# Altium PCB Hall Board.PcbDoc (part 3 of 4) (continued)
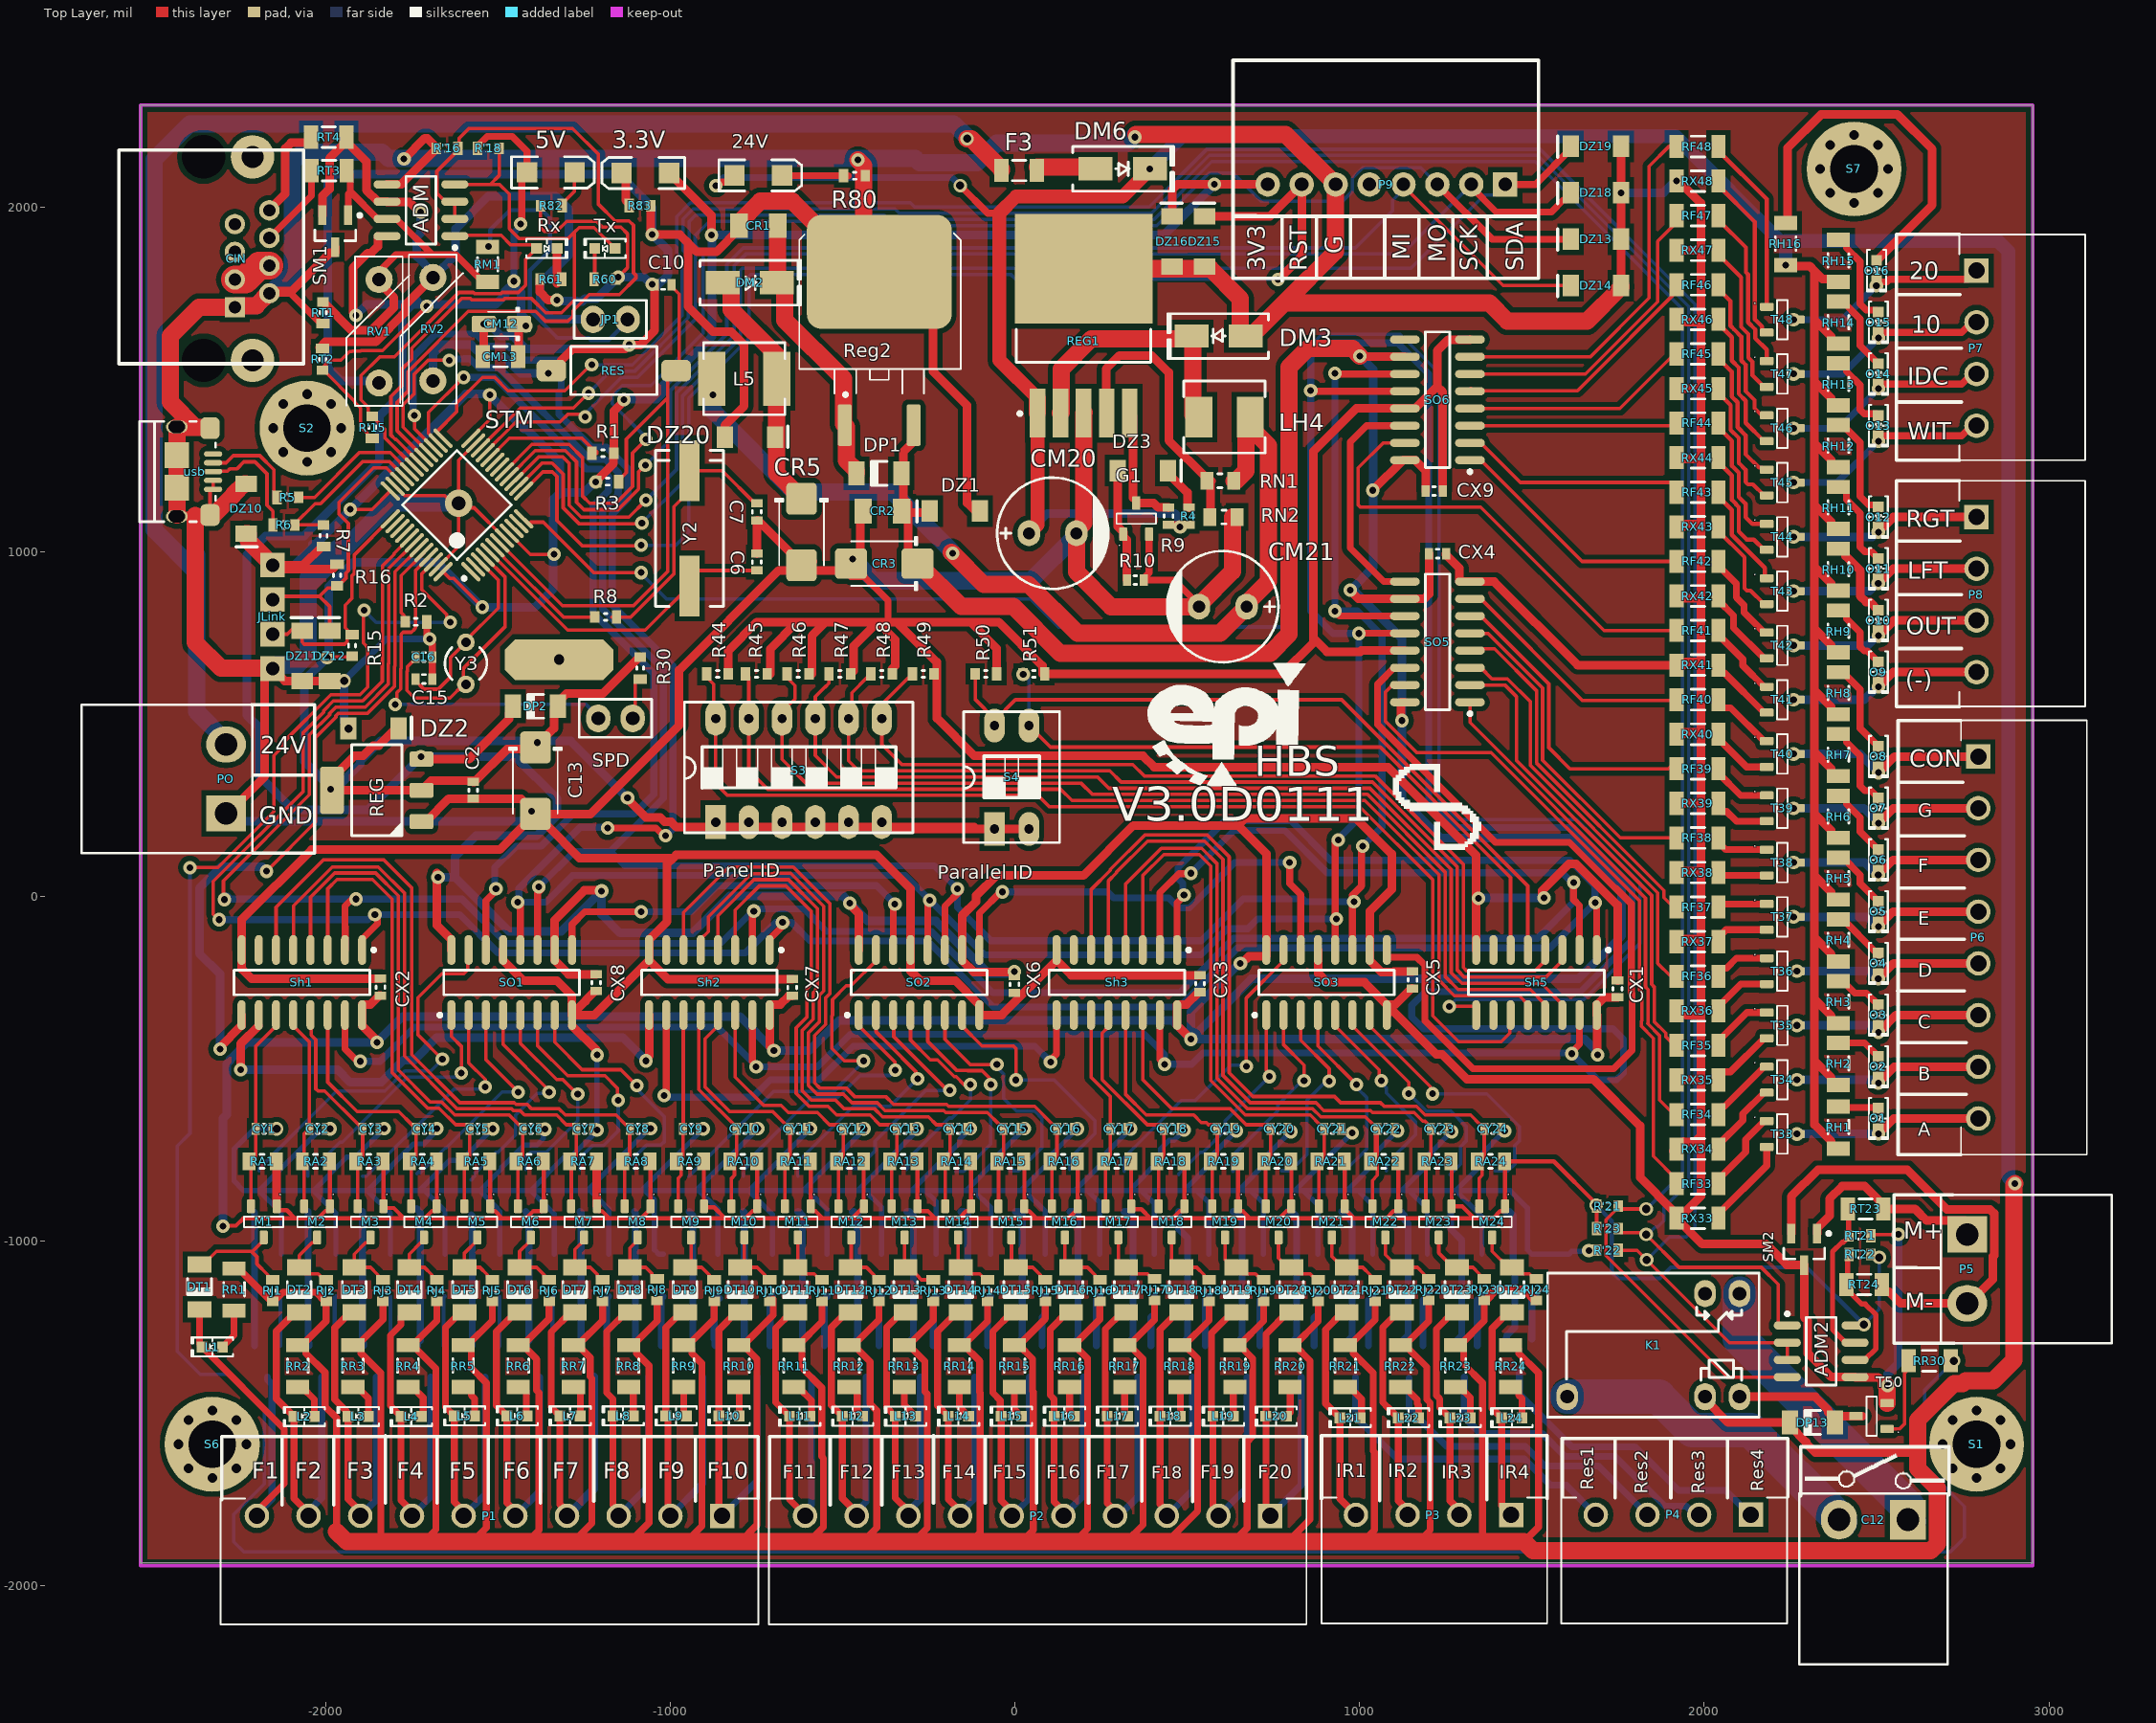
[diagram p0: Top Layer view]
## Nets (pads, with @x,y where several pads share a name; then routed paths per layer and width w, separated by ;. In a path a pad name is that pad's centre, name@x,y a point inside that pad or via, vN(x,y) a via of type N, cw(c..) or ccw(c..) an arc to the next point about the centre after c; other vN are vias at no path point) (continued)
NetR1_2: R1.2 STM.20 | length 353.9
  Top Layer w10: STM.20@-1523.96,1272.8 -1468.28,1328.48 -1257.47,1328.48 -1225.72,1296.73 -1220.8,1296.73 -1213.99,1289.92 -1213.99,1285
NetR2_1: R2.1 STM.44 | length 225.8
  Top Layer w10: R2.1@-1765,805.67 -1781.95,822.62 -1781.95,930.01 -1716.04,995.92 STM.44@-1716.04,997.2
NetR5_2: R5.2 usb.2 | length 294.3
  Top Layer w10: usb.2@-2327.69,1257.35 -2290,1257.35 -2269.35,1278 -2191.9,1278 -2150.99,1237.09 R5.2@-2150.99,1145
NetR6_2: R6.2 usb.3 | length 338
  Top Layer w10: usb.3@-2327.69,1231.76 -2326.71,1232.73 -2286.11,1232.73 -2279.37,1239.47 -2259.03,1239.47 -2238.38,1260.13 -2206.23,1260.13 -2171.38,1225.27 -2171.38,1134.23 -2153.99,1116.84 R6.2@-2153.99,1077
NetR30_2: R30.2 SPD.1 | length 126.6
  Top Layer w10: SPD.1@-1110,515.85 -1102.88,522.97 -1102.88,621.22 -1094.1,630 R30.2@-1088.19,630
NetR60_2: R60.2 Tx.2 | length 105.2
  Top Layer w10: Tx.2@-1220.03,1879.17 -1220.03,1786.67 R60.2@-1211.06,1777.7
NetR61_2: R61.2 Rx.2 | length 101.7
  Top Layer w25: -1330.08,1777.7 -1329.54,1778.23 Rx.2@-1329.54,1879.17
NetREG1_4: REG1.4 RN1.2 RN2.1 | length 814.9
  Top Layer w25: REG1.4@265.48,1401.06 264,1402.54 264,1530 303,1569 396.04,1569 446,1519.04 446,1322.11 556.22,1211.89 RN1.2@556.22,1205 ; RN2.1@565.34,1100.16 567.67,1102.49 567.67,1202.67 RN1.2@570,1205
NetRF1_1: RF1.1 T1.1 | length 390.5
  Bottom Layer w20: RF1.1@-2210,-915 -2207.4,-917.6 T1.1@-2207.4,-1304.45
NetRF2_1: RF2.1 T2.1 | length 390.5
  Bottom Layer w20: RF2.1@-2052.1,-915 -2052.1,-1293.98 -2049.5,-1296.57 T2.1@-2049.5,-1304.45
NetRF3_1: RF3.1 T3.1 | length 390.5
  Bottom Layer w20: RF3.1@-1894.19,-915 -1894.19,-1293.98 -1891.6,-1296.57 T3.1@-1891.6,-1304.45
NetRF4_1: RF4.1 T4.1 | length 404.5
  Bottom Layer w20: RF4.1@-1736.29,-907.05 -1726.37,-916.97 -1726.37,-1289.25 -1733.69,-1296.57 T4.1@-1733.69,-1304.45
NetRF5_1: RF5.1 T5.1 | length 380.6
  Bottom Layer w20: RF5.1@-1578.39,-924.92 -1575.79,-927.52 T5.1@-1575.79,-1304.45
NetRF6_1: RF6.1 T6.1 | length 396.4
  Bottom Layer w20: RF6.1@-1420.48,-915 -1410.82,-924.66 -1410.82,-1289.51 -1417.89,-1296.57 T6.1@-1417.89,-1304.45
NetRF7_1: RF7.1 T7.1 | length 390.5
  Bottom Layer w20: RF7.1@-1262.58,-915 -1259.98,-917.6 T7.1@-1259.98,-1304.45
NetRF8_1: RF8.1 T8.1 | length 390.5
  Bottom Layer w20: RF8.1@-1104.68,-915 -1102.08,-917.6 T8.1@-1102.08,-1304.45
NetRF9_1: RF9.1 T9.1 | length 398.4
  Bottom Layer w20: RF9.1@-946.77,-915 -945.94,-915 -935.27,-925.67 -935.27,-1287.67 -944.18,-1296.57 T9.1@-944.18,-1304.45
NetRF10_1: RF10.1 T10.1 | length 390.5
  Bottom Layer w20: RF10.1@-788.87,-915 -786.27,-917.6 T10.1@-786.27,-1304.45
NetRF11_1: RF11.1 T11.1 | length 401.1
  Bottom Layer w20: RF11.1@-630.97,-915 -628.21,-915 -617.54,-925.67 -617.54,-1285.75 -628.37,-1296.57 T11.1@-628.37,-1304.45
NetRF12_1: RF12.1 T12.1 | length 404.8
  Bottom Layer w20: RF12.1@-473.06,-915 -467.67,-915 -457,-925.67 -457,-1283.11 -470.47,-1296.57 T12.1@-470.47,-1304.45
NetRF13_1: RF13.1 T13.1 | length 410
  Bottom Layer w20: RF13.1@-315.16,-915 -306.15,-915 -295.48,-925.67 -295.48,-1279.49 -310.75,-1294.76 -310.75,-1302.64 T13.1@-312.56,-1304.45
NetRF14_1: RF14.1 T14.1 | length 411.5
  Bottom Layer w20: RF14.1@-157.26,-915 -148.51,-915 -137.84,-925.67 -137.84,-1283.05 -149.56,-1294.76 -152.85,-1294.76 -154.66,-1296.57 T14.1@-154.66,-1304.45
NetRF15_1: RF15.1 T15.1 | length 412
  Bottom Layer w20: RF15.1@0.64,-915 9.66,-915 20.33,-925.67 20.33,-1283.05 8.61,-1294.76 5.05,-1294.76 3.24,-1296.57 T15.1@3.24,-1304.45
NetRF16_1: RF16.1 T16.1 | length 419.6
  Bottom Layer w20: RF16.1@158.55,-915 171.34,-915 182.01,-925.67 182.01,-1283.05 170.3,-1294.76 162.96,-1294.76 161.15,-1296.57 T16.1@161.15,-1304.45
NetRF17_1: RF17.1 T17.1 | length 421.4
  Bottom Layer w20: RF17.1@316.45,-915 329.25,-915 339.92,-925.67 339.92,-938.46 341.69,-940.23 341.69,-1281.81 328.73,-1294.76 320.86,-1294.76 319.05,-1296.57 T17.1@319.05,-1304.45
NetRF18_1: RF18.1 T18.1 | length 414.3
  Bottom Layer w20: RF18.1@474.35,-915 474.35,-965.67 500.07,-991.38 500.07,-1281.34 486.64,-1294.76 478.76,-1294.76 476.95,-1296.57 T18.1@476.95,-1304.45
NetRF19_1: RF19.1 T19.1 | length 422.4
  Bottom Layer w20: RF19.1@632.26,-915 645.05,-915 655.72,-925.67 655.72,-938.46 658.67,-941.41 658.67,-1280.63 644.54,-1294.76 636.67,-1294.76 634.86,-1296.57 T19.1@634.86,-1304.45
NetRF20_1: RF20.1 T20.1 | length 423
  Bottom Layer w20: RF20.1@790.16,-915 802.96,-915 813.63,-925.67 813.63,-938.47 817.32,-942.16 817.32,-1279.89 802.44,-1294.76 794.57,-1294.76 792.76,-1296.57 T20.1@792.76,-1304.45
NetRF21_1: RF21.1 T21.1 | length 425.3
  Bottom Layer w20: RF21.1@948.06,-915 960.86,-915 971.53,-925.67 971.53,-938.46 978.06,-945 978.06,-1277.05 960.35,-1294.76 952.47,-1294.76 950.66,-1296.57 T21.1@950.66,-1304.45
NetRF22_1: RF22.1 T22.1 | length 433
  Bottom Layer w20: T22.1@1105.7,-1307.2 1105.7,-1299.33 1107.51,-1297.52 1115.39,-1297.52 1140.42,-1272.49 1140.42,-949.45 1129.43,-938.46 1129.43,-925.67 1118.76,-915 RF22.1@1105.97,-915
NetRF23_1: RF23.1 T23.1 | length 419.9
  Bottom Layer w20: RF23.1@1263.87,-915 1263.87,-965.67 1296.36,-998.16 1296.36,-1274.56 1276.15,-1294.76 1268.28,-1294.76 1266.47,-1296.57 T23.1@1266.47,-1304.45
NetRF24_1: RF24.1 T24.1 | length 399.1
  Bottom Layer w20: RF24.1@1421.77,-915 1434.57,-915 1445.24,-925.67 1445.24,-1086.24 1449.72,-1090.72 1449.72,-1251.3 1426.18,-1274.83 1426.18,-1282.71 T24.1@1424.37,-1284.52
NetRF33_1: RF33.1 T33.1 | length 244.2
  Top Layer w20: RF33.1@2041.1,-834.14 2041.1,-821.35 2120,-742.45 2120,-705.86 2173.26,-652.6 T33.1@2181.13,-652.6
NetRF34_1: RF34.1 T34.1 | length 204.9
  Top Layer w20: RF34.1@2041.1,-633.53 2041.1,-620.74 2051.77,-610.07 2058.29,-610.07 2173.26,-495.1 T34.1@2181.13,-495.1
NetRF35_1: RF35.1 T35.1 | length 187
  Top Layer w20: RF35.1@2041.1,-432.92 2041.1,-420.13 2123.63,-337.6 T35.1@2181.13,-337.6
NetRF36_1: RF36.1 T36.1 | length 169.2
  Top Layer w20: RF36.1@2041.1,-232.32 2041.1,-219.52 2051.77,-208.85 2064.57,-208.85 2093.32,-180.1 T36.1@2181.13,-180.1
NetRF37_1: RF37.1 T37.1 | length 143.8
  Top Layer w20: RF37.1@2041.1,-31.71 2050.21,-22.6 T37.1@2181.13,-22.6
NetRF38_1: RF38.1 T38.1 | length 161.6
  Top Layer w20: RF38.1@2041.1,168.9 2041.1,156.11 2062.31,134.9 T38.1@2181.13,134.9
NetRF39_1: RF39.1 T39.1 | length 179.5
  Top Layer w20: RF39.1@2041.1,369.51 2041.1,356.72 2105.42,292.4 T39.1@2181.13,292.4
NetRF40_1: RF40.1 T40.1 | length 197.3
  Top Layer w20: RF40.1@2041.1,570.12 2041.1,557.33 2051.77,546.66 2076.51,546.66 2173.26,449.91 T40.1@2181.13,449.91
NetRF41_1: RF41.1 T41.1 | length 225.9
  Top Layer w20: RF41.1@2041.1,770.73 2041.1,757.94 2111.61,687.43 2111.61,669.06 2173.26,607.41 T41.1@2181.13,607.41
NetRF42_1: RF42.1 T42.1 | length 269.1
  Top Layer w20: RF42.1@2041.1,971.34 2041.1,958.55 2092.71,906.94 2092.71,866.7 2115,844.41 2115,823.17 2173.26,764.91 T42.1@2181.13,764.91
NetRF43_1: RF43.1 T43.1 | length 307.5
  Top Layer w12: RF43.1@2041.1,1171.95 2041.1,1159.16 2080,1120.26 2080,1048.06 2175.84,952.22 2175.84,927.7 T43.1@2181.13,922.41
NetRF44_1: RF44.1 T44.1 | length 375.1
  Top Layer w12: RF44.1@2041.1,1372.56 2041.1,1359.77 2080,1320.87 2080,1248.67 2099.87,1228.8 2099.87,1158.23 2119.75,1138.36 2119.75,1099.59 2139.43,1079.91 T44.1@2181.13,1079.91
NetRF45_1: RF45.1 T45.1 | length 403.4
  Top Layer w12: RF45.1@2041.1,1573.17 2041.1,1560.38 2080,1521.48 2080,1449.28 2096.38,1432.9 2096.38,1360.7 2119.75,1337.33 2119.75,1282.34 2158.87,1243.22 2167.45,1243.22 2173.26,1237.41 T45.1@2181.13,1237.41
NetRF46_1: RF46.1 T46.1 | length 445.3
  Top Layer w12: RF46.1@2041.1,1773.78 2041.1,1760.99 2075.65,1726.44 2075.65,1655 2087.22,1643.42 2107.83,1622.82 2107.83,1553.77 2119.75,1541.84 2119.75,1465.74 2146.06,1439.43 2146.06,1415.55 2166.7,1394.91 T46.1@2181.13,1394.91
NetRF47_1: RF47.1 T47.1 | length 480
  Top Layer w12: RF47.1@2041.1,1974.39 2041.1,1961.6 2120.74,1881.96 2120.74,1809.76 2126.97,1803.53 2126.97,1665 2147.57,1644.4 2147.57,1619.28 2181.13,1585.72 T47.1@2181.13,1552.41
NetRF48_1: RF48.1 T48.1 | length 523.1
  Top Layer w12: RF48.1@2041.1,2175 2041.1,2162.2 2181.13,2022.17 T48.1@2181.13,1709.91
NetRR30_1: RR30.1 T50.1 | length 254.9
  Top Layer w10: T50.1@2530.62,-1545.96 2566.47,-1545.96 2580.58,-1531.85 2580.58,-1384.87 2605.23,-1360.23 RR30.1@2593,-1348
NetRX1_1: RX1.1 T1.2 | length 144.5
  Bottom Layer w12: T1.2@-2132.6,-1304.45 -2132.6,-1163.93 RX1.1@-2129.77,-1161.1
NetRX2_1: RX2.1 T2.2 | length 144.7
  Bottom Layer w12: T2.2@-1974.7,-1304.45 -1974.7,-1164.4 RX2.1@-1971.4,-1161.1
NetRX3_1: RX3.1 T3.2 | length 144.9
  Bottom Layer w12: T3.2@-1816.79,-1304.45 -1816.79,-1296.57 -1813.03,-1292.81 RX3.1@-1813.03,-1161.1
NetRX4_1: RX4.1 T4.2 | length 145.1
  Bottom Layer w12: T4.2@-1658.89,-1304.45 -1658.89,-1165.34 RX4.1@-1654.65,-1161.1
NetRX5_1: RX5.1 T5.2 | length 145.3
  Bottom Layer w12: T5.2@-1500.99,-1294.61 -1496.28,-1289.9 RX5.1@-1496.28,-1161.1
  Bottom Layer w20: T5.2@-1500.99,-1304.45 T5.2@-1500.99,-1294.61
NetRX6_1: RX6.1 T6.2 | length 145.5
  Bottom Layer w12: T6.2@-1343.08,-1304.45 -1343.08,-1166.27 RX6.1@-1337.91,-1161.1
NetRX7_1: RX7.1 T7.2 | length 145.7
  Bottom Layer w20: T7.2@-1185.18,-1304.45 -1185.18,-1166.74 RX7.1@-1179.54,-1161.1
NetRX8_1: RX8.1 T8.2 | length 145.9
  Bottom Layer w20: T8.2@-1027.28,-1304.45 -1027.28,-1167.21 RX8.1@-1021.17,-1161.1
NetRX9_1: RX9.1 T9.2 | length 152.8
  Bottom Layer w20: T9.2@-869.37,-1304.45 -871.18,-1302.64 -871.18,-1287.01 -873.58,-1284.62 -873.58,-1171.77 -868.42,-1166.61 RX9.1@-857.3,-1166.61
NetRX10_1: RX10.1 T10.2 | length 146.3
  Bottom Layer w20: T10.2@-711.47,-1304.45 -711.47,-1168.14 RX10.1@-704.43,-1161.1
NetRX11_1: RX11.1 T11.2 | length 146.5
  Bottom Layer w20: T11.2@-553.57,-1304.45 -553.57,-1168.61 RX11.1@-546.06,-1161.1
NetRX12_1: RX12.1 T12.2 | length 146.6
  Bottom Layer w20: T12.2@-395.66,-1304.45 -395.66,-1169.08 RX12.1@-387.69,-1161.1
NetRX13_1: RX13.1 T13.2 | length 146.8
  Bottom Layer w20: T13.2@-237.76,-1304.45 -237.76,-1169.54 RX13.1@-229.32,-1161.1
NetRX14_1: RX14.1 T14.2 | length 147
  Bottom Layer w20: T14.2@-79.86,-1304.45 -79.86,-1170.01 RX14.1@-70.95,-1161.1
NetRX15_1: RX15.1 T15.2 | length 147.2
  Bottom Layer w20: T15.2@78.05,-1304.45 78.05,-1221.15 87.42,-1211.77 RX15.1@87.42,-1161.1
NetRX16_1: RX16.1 T16.2 | length 147.4
  Bottom Layer w20: T16.2@235.95,-1304.45 235.95,-1170.94 RX16.1@245.79,-1161.1
NetRX17_1: RX17.1 T17.2 | length 147.6
  Bottom Layer w20: T17.2@393.85,-1304.45 393.85,-1222.08 404.16,-1211.77 RX17.1@404.16,-1161.1
NetRX18_1: RX18.1 T18.2 | length 147.9
  Bottom Layer w20: T18.2@551.76,-1304.45 551.76,-1171.77 562.43,-1161.1 RX18.1@562.53,-1161.1
NetRX19_1: RX19.1 T19.2 | length 148.3
  Bottom Layer w20: T19.2@709.66,-1304.45 709.66,-1171.77 720.33,-1161.1 RX19.1@720.9,-1161.1
NetRX20_1: RX20.1 T20.2 | length 148.2
  Bottom Layer w20: T20.2@867.56,-1304.45 867.56,-1223.48 879.27,-1211.77 RX20.1@879.27,-1161.1
NetRX21_1: RX21.1 T21.2 | length 149.3
  Bottom Layer w20: T21.2@1025.47,-1304.45 1025.47,-1171.77 1036.14,-1161.1 RX21.1@1037.65,-1161.1
NetRX22_1: RX22.1 T22.2 | length 149.7
  Bottom Layer w20: T22.2@1183.37,-1304.45 1183.37,-1171.77 1194.04,-1161.1 RX22.1@1196.02,-1161.1
NetRX23_1: RX23.1 T23.2 | length 150.2
  Bottom Layer w20: T23.2@1341.27,-1304.45 1341.27,-1171.77 1351.94,-1161.1 RX23.1@1354.39,-1161.1
NetRX24_1: RX24.1 T24.2 | length 130.7
  Bottom Layer w20: T24.2@1499.18,-1284.52 1499.18,-1200.18 1499.18,-1171.77 1509.85,-1161.1 RX24.1@1512.76,-1161.1
NetRX33_1: RX33.1 T33.2 | length 265
  Top Layer w20: RX33.1@2041.1,-934.45 2041.1,-921.65 2181.13,-781.62 T33.2@2181.13,-727.4
NetRX34_1: RX34.1 T34.2 | length 226.6
  Top Layer w20: RX34.1@2041.1,-733.84 2041.1,-721.04 2111.61,-650.54 2111.61,-631.55 2173.26,-569.9 T34.2@2181.13,-569.9
NetRX35_1: RX35.1 T35.2 | length 197.6
  Top Layer w20: RX35.1@2041.1,-533.23 2041.1,-520.43 2051.77,-509.76 2075.9,-509.76 2173.26,-412.4 T35.2@2181.13,-412.4
NetRX36_1: RX36.1 T36.2 | length 179.7
  Top Layer w20: RX36.1@2041.1,-332.62 2041.1,-319.82 2106.03,-254.9 T36.2@2181.13,-254.9
NetRX37_1: RX37.1 T37.2 | length 161.9
  Top Layer w20: RX37.1@2041.1,-132.01 2041.1,-119.21 2062.92,-97.4 T37.2@2181.13,-97.4
NetRX38_1: RX38.1 T38.2 | length 143.6
  Top Layer w20: RX38.1@2041.1,68.6 2049.6,60.1 T38.2@2181.13,60.1
NetRX39_1: RX39.1 T39.2 | length 168.9
  Top Layer w20: RX39.1@2041.1,269.21 2041.1,256.41 2051.77,245.74 2064.57,245.74 2092.71,217.6 T39.2@2181.13,217.6
NetRX40_1: RX40.1 T40.2 | length 186.8
  Top Layer w20: RX40.1@2041.1,469.82 2041.1,457.02 2123.02,375.1 T40.2@2181.13,375.1
NetRX41_1: RX41.1 T41.2 | length 204.6
  Top Layer w20: RX41.1@2041.1,670.43 2041.1,657.63 2051.77,646.96 2058.9,646.96 2173.26,532.6 T41.2@2181.13,532.6
NetRX42_1: RX42.1 T42.2 | length 243.6
  Top Layer w20: RX42.1@2041.1,871.04 2041.1,858.24 2085,814.34 2085,778.36 2173.26,690.1 T42.2@2181.13,690.1
NetRX43_1: RX43.1 T43.2 | length 292.9
  Top Layer w12: RX43.1@2041.1,1071.65 2041.1,1058.85 2116.58,983.37 2116.58,893.61 2123.61,886.58 2134.28,886.58 2173.26,847.6 T43.2@2181.13,847.6
NetRX44_1: RX44.1 T44.2 | length 341.9
  Top Layer w12: RX44.1@2041.1,1272.26 2041.1,1259.46 2080,1220.56 2080,1150 2092.71,1137.29 2092.71,1135.66 2099.87,1128.49 2099.87,1057.84 2123.33,1034.38 2143.99,1034.38 2173.26,1005.1 T44.2@2181.13,1005.1
NetRX45_1: RX45.1 T45.2 | length 381.1
  Top Layer w12: RX45.1@2041.1,1472.87 2041.1,1460.07 2076.51,1424.67 2076.51,1352.47 2099.87,1329.1 2099.87,1256.9 2119.75,1237.03 2119.75,1202.03 2126.78,1195 2140.86,1195 2173.26,1162.6 T45.2@2181.13,1162.6
NetRX46_1: RX46.1 T46.2 | length 416
  Top Layer w12: RX46.1@2041.1,1673.48 2041.1,1660.68 2080,1621.78 2080,1553.49 2099.87,1533.61 2099.87,1457.51 2120.38,1437 2120.38,1372.98 2173.26,1320.1 T46.2@2181.13,1320.1
NetRX47_1: RX47.1 T47.2 | length 459.1
  Top Layer w12: RX47.1@2041.1,1874.09 2041.1,1861.29 2107.1,1795.29 2107.1,1651.65 2127.7,1631.05 2127.7,1562 2139.62,1550.08 2139.62,1511.24 2173.26,1477.61 T47.2@2181.13,1477.61
NetRX48_1: RX48.1 T48.2 | length 502.2
  Top Layer w12: RX48.1@2041.1,2074.7 2041.1,2061.9 2146.85,1956.16 2146.85,1673.23 2167.45,1652.63 2167.45,1640.92 2173.26,1635.11 T48.2@2181.13,1635.11
NetSh1_10: Sh1.10 Sh2.9 | length 1557.3
  Top Layer w25: v1(-2247.67,-503.34) -2247.67,-427.79 Sh1.10@-2195.69,-375.81 ; v1@-1074.13,-475.1 -1062.5,-463.47 Sh2.9@-1062.5,-345
  Bottom Layer w25: v1(-2247.67,-503.34) -1966.66,-503.34 -1930,-540 -1839.91,-540 -1774.91,-475 -1743.55,-475 -1678.55,-410 -1139.22,-410 v1(-1071.45,-477.77)
NetSh2_10: Sh2.10 Sh3.9 | length 1579.6
  Top Layer w20: v1@-1017.61,-583.34 -1012.5,-578.23 Sh2.10@-1012.5,-345 ; v1@98.15,-480 120,-458.15 Sh3.9@120,-345
  Bottom Layer w20: v1@-1012.32,-583.4 -761.26,-583.4 -710.81,-532.95 -567.94,-532.95 -470.47,-435.48 57.33,-435.48 v1(102.68,-480.82)
  other v1: -1018.99,-578.4
NetSO1_9: SO1.9 SO2.14 | length 1217
  Top Layer w20: SO1.9@-1286.23,-156.02 -1286.23,-82.14 -1249.09,-45 v1(-1085,-45) ; SO2.14@-353.73,-156.02 -353.73,-22.14 v1@-351.59,-20
  Bottom Layer w20: v1(-1085,-45) -940.59,-45 -864.86,30.74 -402.33,30.74 v1(-348.92,-22.68)
NetSO2_9: SO2.9 SO3.14 | length 1438.4
  Top Layer w20: SO2.9@-103.73,-156.02 -103.73,-49.26 v1@-39.47,15 ; 800.96,32.5 796.6,36.86 ; SO3.14@828.77,-156.02 828.77,4.69 796.6,36.86 ; 796.6,36.86 v1(796.6,97.5) 796.6,36.86
  Bottom Layer w20: v1(-36.79,12.32) 268.42,12.32 285.75,-5 445.42,-5 474.44,-34.02 505.56,-34.02 637.08,97.5 v1(796.6,97.5)
NetSO3_9: SO3.9 SO5.14 | length 2596.7
  Top Layer w20: SO3.9@1078.77,-156.02 1078.77,-186.33 1080.44,-188 1080.44,-177.52 1166.33,-177.52 1188.92,-200.11 1188.92,-361.37 1327.86,-500.31 1737.46,-500.31 1790.37,-447.4 1790.37,-281.97 1788.5,-280.1 1788.5,-22.25 1744.13,22.13 ; SO5.14@1131.02,662.78 1099.53,662.78 1051.97,615.22 1051.97,497.87 1393.73,156.11 1608.52,156.11 1743.31,21.31
NetSO5_9: SO5.9 SO6.14 | length 693.1
  Top Layer w10: SO5.9@1151.23,912.78 SO5.9@1157.52,919.07
  Top Layer w20: SO5.9@1131.02,912.78 1069.89,912.78 972.68,1010 972.68,1317.68 1020,1365 SO6.14@1131.02,1365
OSCIN: C6.1 STM.5 Y2.2 | length 951
  Top Layer w10: STM.5@-1523.96,997.2 -1298.5,771.74 -1073.26,771.74 Y2.2@-945,900 -945,920.34 -920.47,944.86 C6.1@-750,944.86
OSCOUT: R8.1 STM.6 | length 374.9
  Top Layer w10: STM.6@-1510.04,1011.12 -1510.04,1010.63 -1482.91,983.5 -1482.91,981.43 -1311.48,810 R8.1@-1219.95,810
RESET: C10.1 R3.2 RES.2 STM.7 | length 1763.4
  Top Layer w10: STM.7@-1496.12,1025.04 -1313.72,842.64 -1107.64,842.64 -1007.87,942.4 -1007.87,1446.8 ; R3.2@-1150.79,1202.49 -1150.79,1208.4 -1142.01,1217.18 -1140.05,1217.18 -1128.43,1228.79 -1128.43,1326.24 -1007.87,1446.8 ; C10.1@-997.02,1773.6 -990.2,1766.79 -990.2,1761.87 -975.37,1747.04 -975.37,1533.72 RES.2@-984.09,1525 -1007.87,1501.22 -1007.87,1446.8
RST: DZ15.2 P9.7 STM.13 | length 3636.2
  Top Layer w10: STM.13@-1426.52,1175.37 -1370.9,1230.98 -1343.14,1230.98 -1329.75,1217.6 -1329.75,1090.15 -1256.34,1016.73 v1@-1095,1016.73
  Top Layer w25: DZ15.2@550,1972.8 739.37,1972.8 818.71,2052.14 831.57,2052.14 831.57,1856.57 764.48,1789.48 v1(762.68,1789.48)
  Bottom Layer w10: v1(-1085,1018.15) -985.42,1018.15 -946.97,1056.6 -946.97,1444.51 -772.4,1619.08 -772.4,1798.31 -766.54,1804.17 -13.25,1804.17 1.43,1789.48 v1(762.68,1789.48)
RxComm: ADM.1 R'15.1 Rx.1 STM.31 | length 1294.5
  Top Layer w10: STM.31@-1743.88,1244.96 -1829.46,1330.54 -1829.46,1355.46 R'15.1@-1865.5,1391.5 -1868.45,1391.5 -1877.23,1400.28 -1877.23,1418.62 -1898.24,1439.63 -1898.24,1510.64 -1843.77,1565.12 -1801.05,1565.12 -1614.56,1751.61 -1573,1751.61 -1569.61,1748.23 -1492.02,1748.23 -1488.63,1751.61 -1441.51,1751.61 -1420.43,1772.7 -1420.43,1847.33 Rx.1@-1388.6,1879.17 -1399.35,1889.91 -1464.41,1889.91 -1492.02,1917.52 -1623.52,1917.52 ADM.1@-1626.04,1915
RxDis: ADM2.1 R'23.1 STM.22 | length 7663.4
  Top Layer w10: STM.22@-1551.79,1300.64 -1436.23,1416.21 -1281.59,1416.21 -1242.8,1455 v1@-1237.12,1455 ; R'23.1@1750.62,-964.45 1750.62,-967.4 1759.4,-976.18 1825.75,-976.18 v2(1831.06,-981.5) 1926.61,-1077.04 2165.13,-1077.04 2214.53,-1126.44 2214.53,-1239.05 2220.82,-1245.34 ADM2.1@2240.81,-1245.34
  Bottom Layer w10: v1(-1238.44,1459.35) -1174.12,1523.67 -1103.5,1523.67 -948.4,1678.77 -948.4,1858 -964.18,1873.78 -964.18,1964.43 -934.86,1993.75 -348.43,1993.75 -336.06,1981.38 395.63,1981.38 563.3,2149.06 1516.22,2149.06 1954.87,1710.4 1954.87,-831.57 1882.87,-903.57 1882.87,-941.26 1864.91,-959.22 1857.84,-959.22 1835.57,-981.5 v2(1831.06,-981.5)
SCLK: DZ18.2 P9.2 STM.15 | length 3953.4
  Top Layer w10: STM.15@-1454.36,1203.21 -1382.71,1274.86 -1313.01,1274.86 -1294.01,1255.85 -1294.01,1134.12 -1259.69,1099.8 -1120.57,1099.8 v1(-1071.45,1148.92)
  Top Layer w20: P9.2@1323.7,2065 1323.7,2057.62 1396.32,1985 1556.35,1985 1590.67,2019.31 1598.54,2019.31 1612.16,2032.94 DZ18.2@1612.16,2040.81
  Bottom Layer w10: v1(-1071.45,1148.92) -982.72,1237.65 -982.72,1459.32 -815,1627.03 -815,1829.44 -781.57,1862.87 1121.57,1862.87 P9.2@1323.7,2065
SDA: DZ19.2 P9.1 STM.14 | length 3928.6
  Top Layer w10: STM.14@-1440.44,1189.29 -1372.74,1256.98 -1343.86,1256.98 -1311.88,1225 -1311.88,1126.72 -1265.88,1080.71 v1@-1085,1080.71
  Top Layer w20: P9.1@1422.13,2065 1509.54,2065 1612.16,2167.62 DZ19.2@1612.16,2175.49
  Bottom Layer w10: v1(-1083.26,1082.88) -964.84,1201.29 -964.84,1451.91 -797.13,1619.63 -797.13,1816.18 -791.27,1822.04 1149.06,1822.04 1361.58,2034.57 1391.69,2034.57 P9.1@1422.13,2065
SI24_0: DT1.2 L1.2 P1.10 T1.3 | length 1160.6
  Top Layer w20: DT1.2@-2367.13,-1198.69 -2367.13,-1300.19 L1.2@-2359.53,-1307.78 -2121,-1546.31 -2121,-1704.4 -2200.59,-1783.99 P1.10@-2200.59,-1797.76
  Bottom Layer w20: P1.10@-2200.59,-1797.76 -2200.59,-1793.49 -2156.46,-1749.35 -2156.46,-1416.42 -2170,-1402.87 T1.3@-2170,-1395
SI24_1: DT2.2 L2.2 P1.9 T2.3 | length 1081.9
  Top Layer w20: DT2.2@-2078,-1206.96 -2088.83,-1206.96 -2144.08,-1262.22 -2144.08,-1458.21 L2.2@-2092.72,-1509.57 -2092.72,-1747.35 -2050.59,-1789.48 P1.9@-2050.59,-1797.76
  Bottom Layer w20: P1.9@-2050.59,-1797.76 -2050.59,-1783.99 -2012.1,-1745.5 T2.3@-2012.1,-1395
SI24_2: DT3.2 L3.2 P1.8 T3.3 | length 1073.3
  Top Layer w20: DT3.2@-1918,-1206.96 -1928.83,-1206.96 -1974.7,-1252.83 -1974.7,-1460.34 -1941.61,-1493.42 -1941.61,-1503.82 L3.2@-1935.86,-1509.57 -1935.86,-1748.72 -1900.59,-1783.99 P1.8@-1900.59,-1797.76
  Bottom Layer w20: P1.8@-1900.59,-1797.76 -1854.19,-1751.36 T3.3@-1854.19,-1395
SI24_3: DT4.2 L4.2 P1.7 T4.3 | length 1071.1
  Top Layer w20: DT4.2@-1758,-1206.96 -1768.54,-1206.96 -1782.16,-1220.58 -1782.16,-1243.3 -1813.33,-1274.47 -1813.33,-1478.41 L4.2@-1782.18,-1509.57 -1782.18,-1752.41 -1750.59,-1783.99 P1.7@-1750.59,-1797.76
  Bottom Layer w20: P1.7@-1750.59,-1797.76 -1696.29,-1743.45 T4.3@-1696.29,-1395
SI24_4: DT5.2 L5.2@-1627.53,-1508 P1.6 T5.3 | length 1070.4
  Top Layer w20: P1.6@-1600.59,-1797.76 -1600.59,-1783.99 -1627.53,-1757.06 L5.2@-1627.53,-1508 -1653.33,-1482.2 -1653.33,-1251.47 -1608.83,-1206.96 DT5.2@-1598,-1206.96
  Bottom Layer w20: P1.6@-1600.59,-1797.76 -1538.39,-1735.55 T5.3@-1538.39,-1395
SI24_5: DT6.2 L6.2 P1.5 T6.3 | length 1086.4
  Top Layer w10: DT6.2@-1438,-1213.94 DT6.2@-1438,-1206.96
  Top Layer w20: P1.5@-1450.59,-1797.76 -1450.59,-1783.99 -1474.8,-1759.79 L6.2@-1474.8,-1508 -1505.27,-1477.53 -1505.27,-1263.4 -1448.83,-1206.96 DT6.2@-1438,-1206.96
  Bottom Layer w20: P1.5@-1450.59,-1797.76 -1380.48,-1727.65 T6.3@-1380.48,-1395
SI24_6: DT7.2 L7.2 P1.4 T7.3 | length 1079.7
  Top Layer w20: P1.4@-1300.59,-1797.76 -1300.59,-1785.34 -1321.11,-1764.83 L7.2@-1321.11,-1508 -1346.58,-1482.53 -1346.58,-1264.71 -1288.83,-1206.96 DT7.2@-1278,-1206.96
  Bottom Layer w25: P1.4@-1300.59,-1797.76 -1222.58,-1719.75 T7.3@-1222.58,-1395
SI24_7: DT8.2 L8.2 P1.3 T8.3 | length 1077.6
  Top Layer w20: P1.3@-1150.59,-1797.76 -1150.59,-1783.99 -1167.42,-1767.16 L8.2@-1167.42,-1508 -1167.42,-1458.58 -1185.18,-1440.81 -1185.18,-1263.31 -1128.83,-1206.96 DT8.2@-1118,-1206.96
  Bottom Layer w20: P1.3@-1150.59,-1797.76 -1064.68,-1711.84 T8.3@-1064.68,-1395
SI24_8: DT9.2 L9.2 P1.2 T9.3 | length 1075.2
  Top Layer w10: DT9.2@-958,-1214.86 DT9.2@-958,-1206.96
  Top Layer w20: P1.2@-1000.59,-1797.76 -1007.98,-1790.36 -1007.98,-1513.75 L9.2@-1013.73,-1508 -1013.73,-1251.86 -968.83,-1206.96 DT9.2@-958,-1206.96
  Bottom Layer w20: P1.2@-1000.59,-1797.76 -906.77,-1703.94 T9.3@-906.77,-1395
SI24_9: DT10.2 L10.2 P1.1 T10.3 | length 1071.6
  Top Layer w20: P1.1@-850.59,-1797.76 -860.04,-1788.31 L10.2@-860.04,-1508 -860.04,-1258.18 -808.83,-1206.96 DT10.2@-798,-1206.96
  Bottom Layer w20: P1.1@-850.59,-1797.76 -748.87,-1696.04 T10.3@-748.87,-1395
SI24_10: DT11.2 L11.2 P2.10 T11.3 | length 1068.5
  Top Layer w10: DT11.2@-638,-1208.85 DT11.2@-638,-1206.96
  Top Layer w20: DT11.2@-638,-1206.96 -648.83,-1206.96 -695,-1253.13 -695,-1468.61 L11.2@-655.03,-1508.59 -655.03,-1750.55 -609.69,-1795.88 P2.10@-609.69,-1797.76
  Bottom Layer w20: P2.10@-609.69,-1797.76 -609.69,-1783.99 -590.97,-1765.27 T11.3@-590.97,-1395
SI24_11: DT12.2 L12.2 P2.9 T12.3 | length 1064.3
  Top Layer w20: DT12.2@-478,-1206.96 -488.83,-1206.96 -533.33,-1251.47 -533.33,-1476.63 L12.2@-501.38,-1508.59 -501.38,-1746.91 -459.69,-1788.59 P2.9@-459.69,-1797.76
  Bottom Layer w20: P2.9@-459.69,-1797.76 -459.69,-1783.99 -433.06,-1757.36 T12.3@-433.06,-1395
SI24_12: DT13.2 L13.2 P2.8 T13.3 | length 1063.5
  Top Layer w20: DT13.2@-318,-1206.96 -328.83,-1206.96 -373.33,-1251.47 -373.33,-1482.99 L13.2@-347.73,-1508.59 -347.73,-1745.95 -309.69,-1783.99 P2.8@-309.69,-1797.76
  Bottom Layer w20: P2.8@-309.69,-1797.76 -309.69,-1783.99 -275.16,-1749.46 T13.3@-275.16,-1395
SI24_13: DT14.2 L14.2 P2.7 T14.3 | length 1072.4
  Top Layer w20: P2.7@-159.69,-1797.76 -159.69,-1783.99 -194.09,-1749.6 L14.2@-194.09,-1508.59 -225.18,-1477.49 -225.18,-1263.32 -168.83,-1206.96 DT14.2@-158,-1206.96
  Bottom Layer w20: P2.7@-159.69,-1797.76 -159.69,-1790.09 -117.26,-1747.65 T14.3@-117.26,-1395
SI24_14: DT15.2 L15.2 P2.6 T15.3 | length 1071.6
  Top Layer w20: P2.6@-9.69,-1797.76 -9.69,-1783.99 -40.44,-1753.24 L15.2@-40.44,-1508.59 -43.16,-1505.87 -43.16,-1462.84 -65.18,-1440.81 -65.18,-1263.32 -8.83,-1206.96 DT15.2@2,-1206.96
  Bottom Layer w20: P2.6@-9.69,-1797.76 40.64,-1747.42 T15.3@40.64,-1395
SI24_15: DT16.2 L16.2 P2.5 T16.3 | length 1065.2
  Top Layer w20: P2.5@140.31,-1797.76 140.31,-1783.99 113.2,-1756.89 L16.2@113.2,-1508.59 113.2,-1459.2 101.48,-1447.48 101.48,-1256.65 151.17,-1206.96 DT16.2@162,-1206.96
  Bottom Layer w20: P2.5@140.31,-1797.76 198.55,-1739.51 T16.3@198.55,-1395
SI24_16: DT17.2 L17.2 P2.4 T17.3 | length 1070.5
  Top Layer w20: P2.4@290.31,-1797.76 290.31,-1783.99 266.85,-1760.54 L17.2@266.85,-1508.59 261.8,-1503.54 261.8,-1256.33 311.17,-1206.96 DT17.2@322,-1206.96
  Bottom Layer w20: P2.4@290.31,-1797.76 301.29,-1797.76 356.45,-1742.6 T17.3@356.45,-1395
SI24_17: DT18.2 L18.2 P2.3 T18.3 | length 1064.2
  Top Layer w20: P2.3@440.31,-1797.76 440.31,-1783.99 420.5,-1764.18 L18.2@420.5,-1508.59 420.5,-1257.64 471.17,-1206.96 DT18.2@482,-1206.96
  Bottom Layer w20: P2.3@440.31,-1797.76 514.35,-1723.71 T18.3@514.35,-1395
SI24_18: DT19.2 L19.2 P2.2 T19.3 | length 1072.1
  Top Layer w20: P2.2@590.31,-1797.76 590.31,-1783.99 574.14,-1767.83 L19.2@574.14,-1508.59 570,-1504.44 570,-1268.13 631.17,-1206.96 DT19.2@642,-1206.96
  Bottom Layer w20: P2.2@590.31,-1797.76 672.26,-1715.8 T19.3@672.26,-1395